# KiCad board DALU.kicad_pcb (continued)
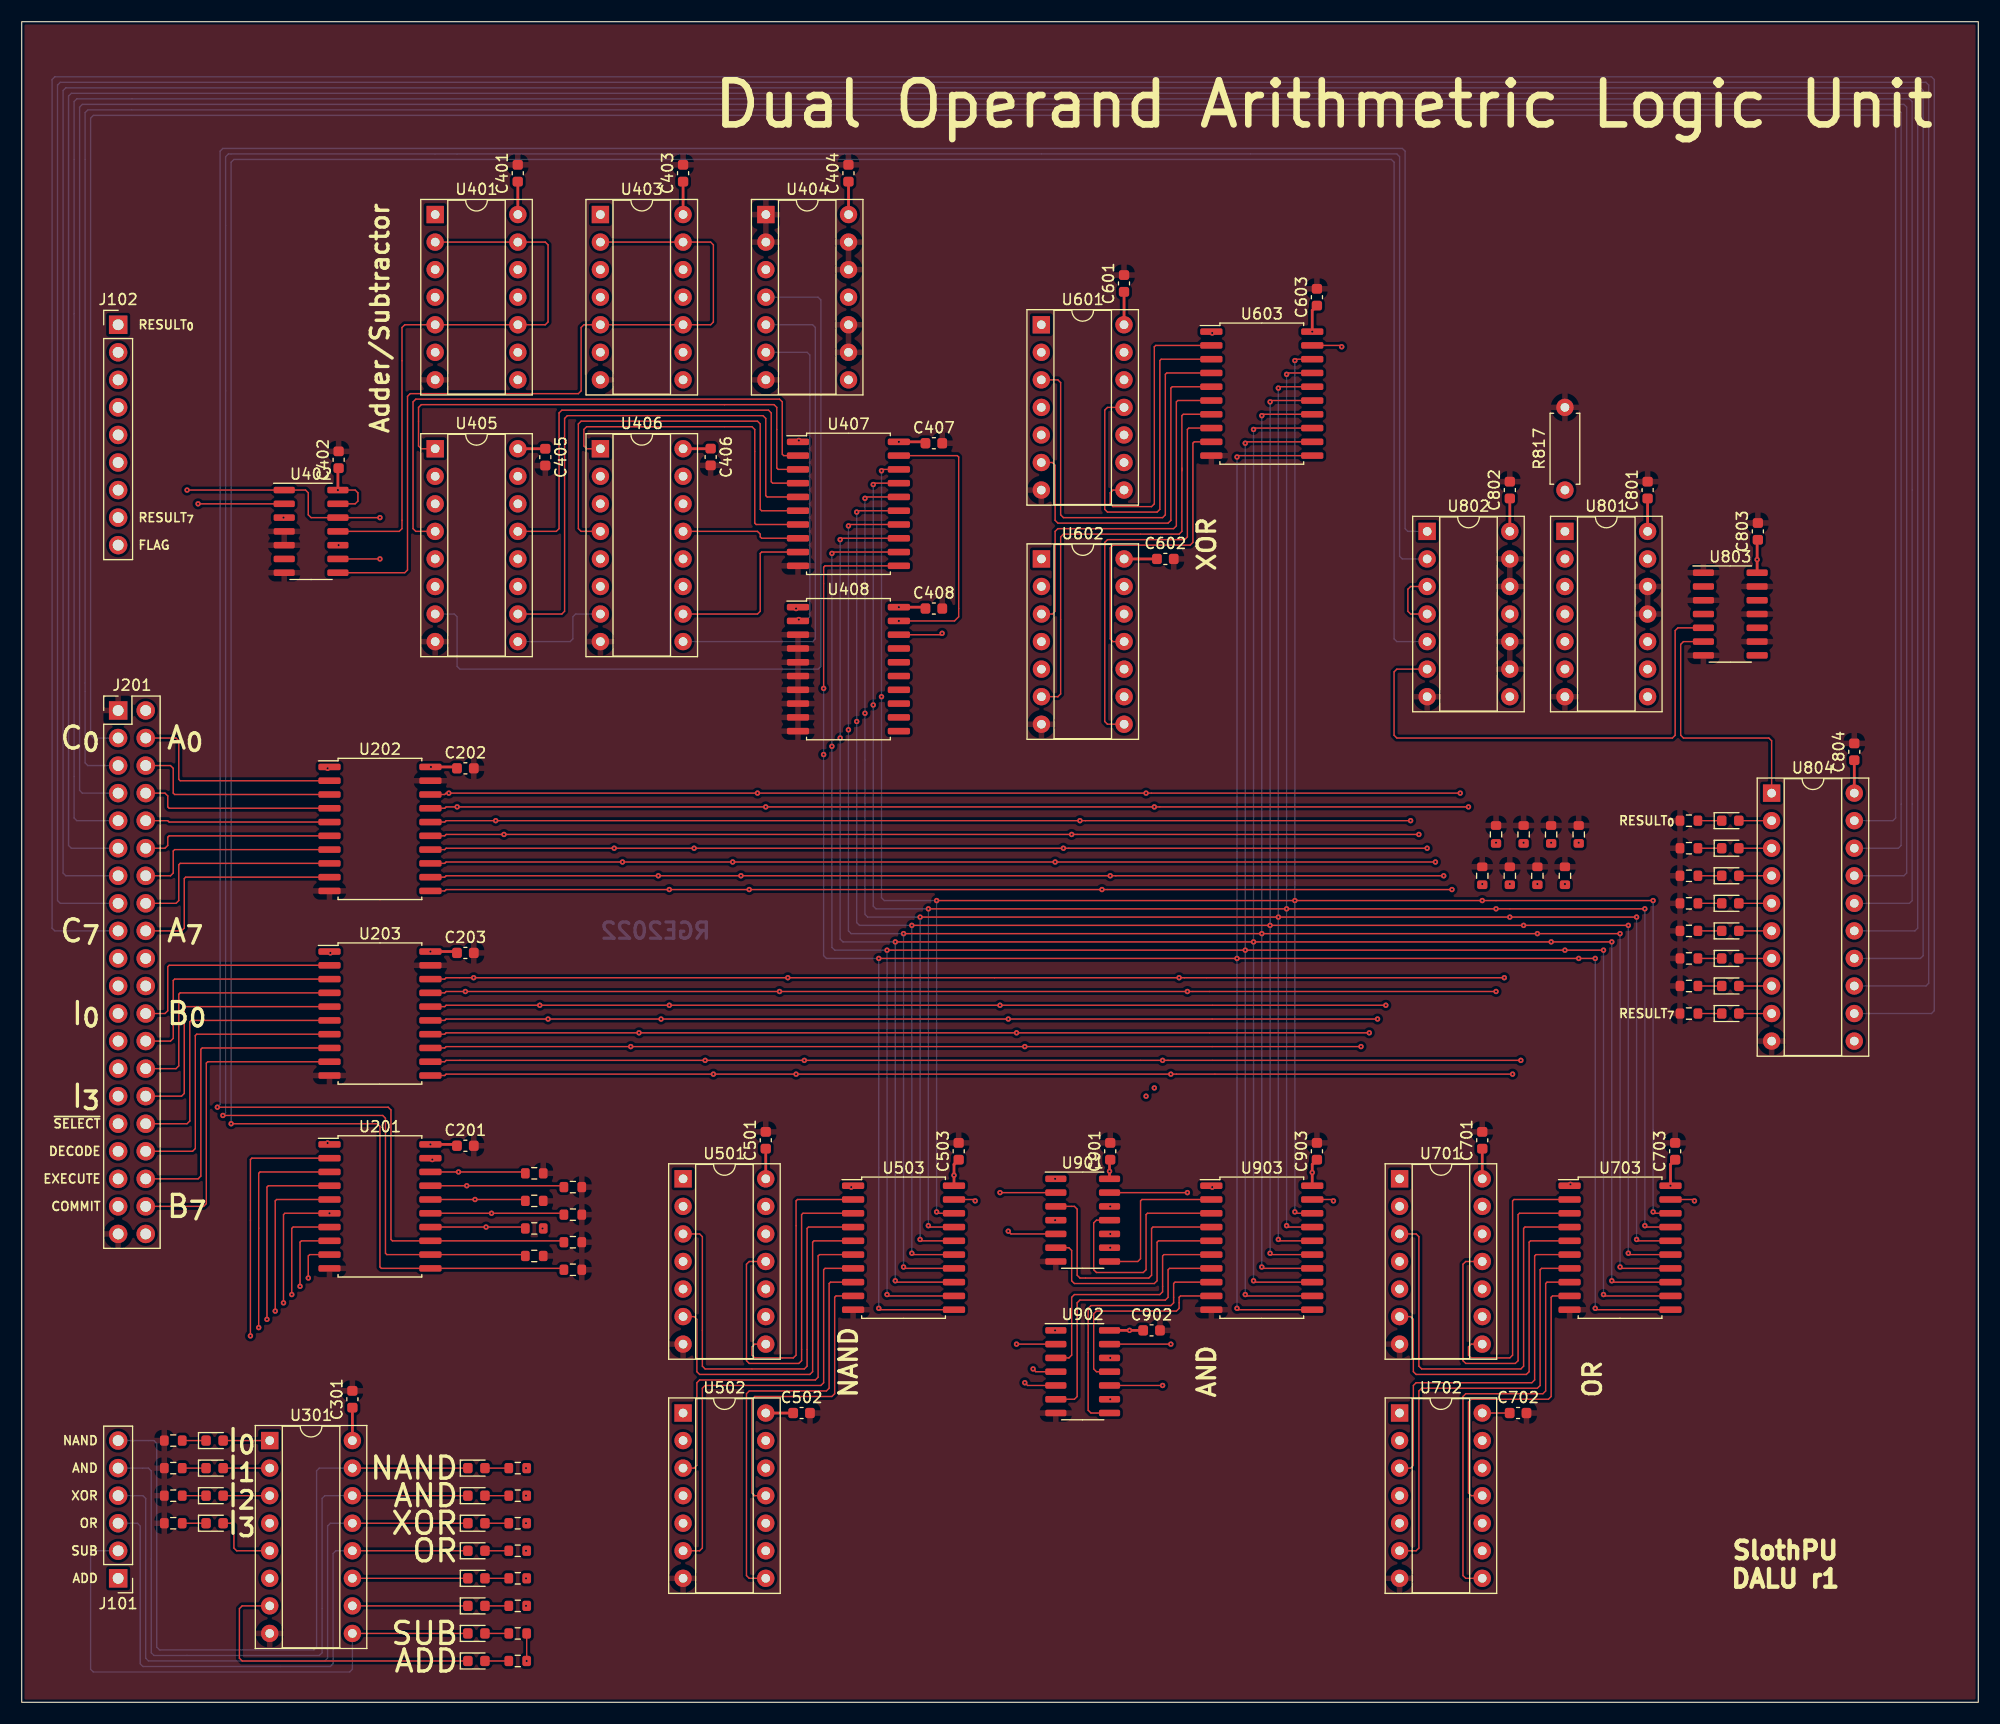
[diagram p0: board, top side]
## Routing (per net, layer and track width the routed paths; a pad name or vN(x,y) marks a point on that pad's centre or on a via; arc(x,y) is an arc through that point) (continued)
Net-(J201-Pad8): length 18.1
  Top w0.127: U202.4 13.59,82.42 13.46,82.55 13.46,83.57 13.21,83.82 J201.8
Net-(J201-Pad10): length 17
  Top w0.127: U202.5 13.59,81.15 13.46,81.28 J201.10
Net-(J201-Pad12): length 17.9
  Top w0.127: J201.12 13.21,78.74 13.46,78.99 13.46,79.76 13.59,79.88 U202.6
Net-(J201-Pad14): length 19.1
  Top w0.127: J201.14 13.72,76.2 13.97,76.45 13.97,78.49 14.1,78.61 U202.7
Net-(J201-Pad16): length 20.4
  Top w0.127: J201.16 14.22,73.66 14.48,73.91 14.48,77.22 14.61,77.34 U202.8
Net-(J201-Pad18): length 21.7
  Top w0.127: J201.18 14.73,71.12 14.99,71.37 14.99,75.95 15.11,76.07 28.37,76.07
Net-(J201-Pad26): length 22.4
  Top w0.127: U203.3 14.1,66.67 13.97,66.55 13.97,61.21 13.72,60.96 J201.26
Net-(J201-Pad28): length 23.7
  Top w0.127: U203.4 14.61,65.41 14.48,65.28 14.48,58.67 14.22,58.42 J201.28
Net-(J201-Pad30): length 25
  Top w0.127: J201.30 14.73,55.88 14.99,56.13 14.99,64.01 15.11,64.14 U203.5
Net-(J201-Pad32): length 26.2
  Top w0.127: J201.32 15.24,53.34 15.49,53.59 15.49,62.74 15.62,62.86 U203.6
Net-(J201-Pad34): length 27.5
  Top w0.127: J201.34 15.75,50.8 16,51.05 16,61.47 16.13,61.59 U203.7
Net-(J201-Pad36): length 28.8
  Top w0.127: U203.8 16.64,60.32 16.51,60.2 16.51,48.51 16.26,48.26 J201.36
Net-(J201-Pad38): length 30.1
  Top w0.127: J201.38 16.76,45.72 17.02,45.97 17.02,58.93 17.15,59.06 U203.9
Net-(U401-Pad10): length 55.8
  Top w0.127: U401.2 U401.13 48.26,134.62 48.51,134.37 48.51,127.25 48.26,127 U401.10 U401.5 35.31,127 35.05,126.75 35.05,108.2 34.8,107.95 U402.11
Net-(U402-Pad8): length 74.6
  Top w0.127: U403.2 U403.13 63.5,134.62 63.75,134.37 63.75,127.25 63.5,127 U403.10 U403.5 51.82,127 51.56,126.75 51.56,120.9 51.31,120.65 35.81,120.65 35.56,120.4 35.56,104.39 35.31,104.14 U402.8
Net-(U404-Pad5): length 45.7
  Bottom w0.127: U404.5 72.9,127 73.15,126.75 73.15,98.04 72.9,97.79 U406.9
Net-(U404-Pad6): length 29.4
  Bottom w0.127: v1(71.63,99.82) 72.39,99.82 72.64,100.08 72.64,124.21 72.39,124.46 U404.6
Net-(U405-Pad9): length 9.9
  Bottom w0.127: U405.9 50.55,97.79 50.8,98.04 50.8,100.08 51.05,100.33 U406.7
Net-(U802-Pad3): length 5.8
  Top w0.127: U802.3 128.02,102.87 127.76,102.62 127.76,100.58 128.02,100.33 U802.4
Net-(U802-Pad6): length 47.5
  Top w0.127: U803.5 152.65,99.06 152.4,98.81 152.4,89.15 152.15,88.9 126.75,88.9 126.49,89.15 126.49,95 126.75,95.25 U802.6

## Copper pours and planes (outline as drawn; the poured copper is in the pictures)
+5V on Bottom: 182.88,-12.7 -10.16,-12.7 -10.16,160.02 182.88,160.02
GND on Top: 198.12,-22.86 -25.4,-22.86 -25.4,175.26 198.12,175.26
GND on In1.Cu: 193.04,-17.78 -20.32,-17.78 -20.32,170.18 193.04,170.18
GND on In2.Cu: 187.96,-12.7 -15.24,-12.7 -15.24,165.1 187.96,165.1

## Text on the board
Bottom: RGE2022
B.Silkscreen: JLCJLCJLCJLC
F.Silkscreen: RESULT_{0} | RESULT_{7} | FLAG | NAND | AND | XOR | OR | SUB | ADD | ~{SELECT} | DECODE | EXECUTE | COMMIT | Adder/Subtractor | SlothPU / DALU r${REVISION} | A_{0} | A_{7} | B_{0} | B_{7} | I_{0} | I_{1} | I_{2} | I_{3} | C_{0} | C_{7} | Dual Operand Arithmetric Logic Unit
In1.Cu: RGE2022
In2.Cu: RGE2022
